# KiCad board HPM1500_DDR3_CORE_RevB.kicad_pcb (continued)
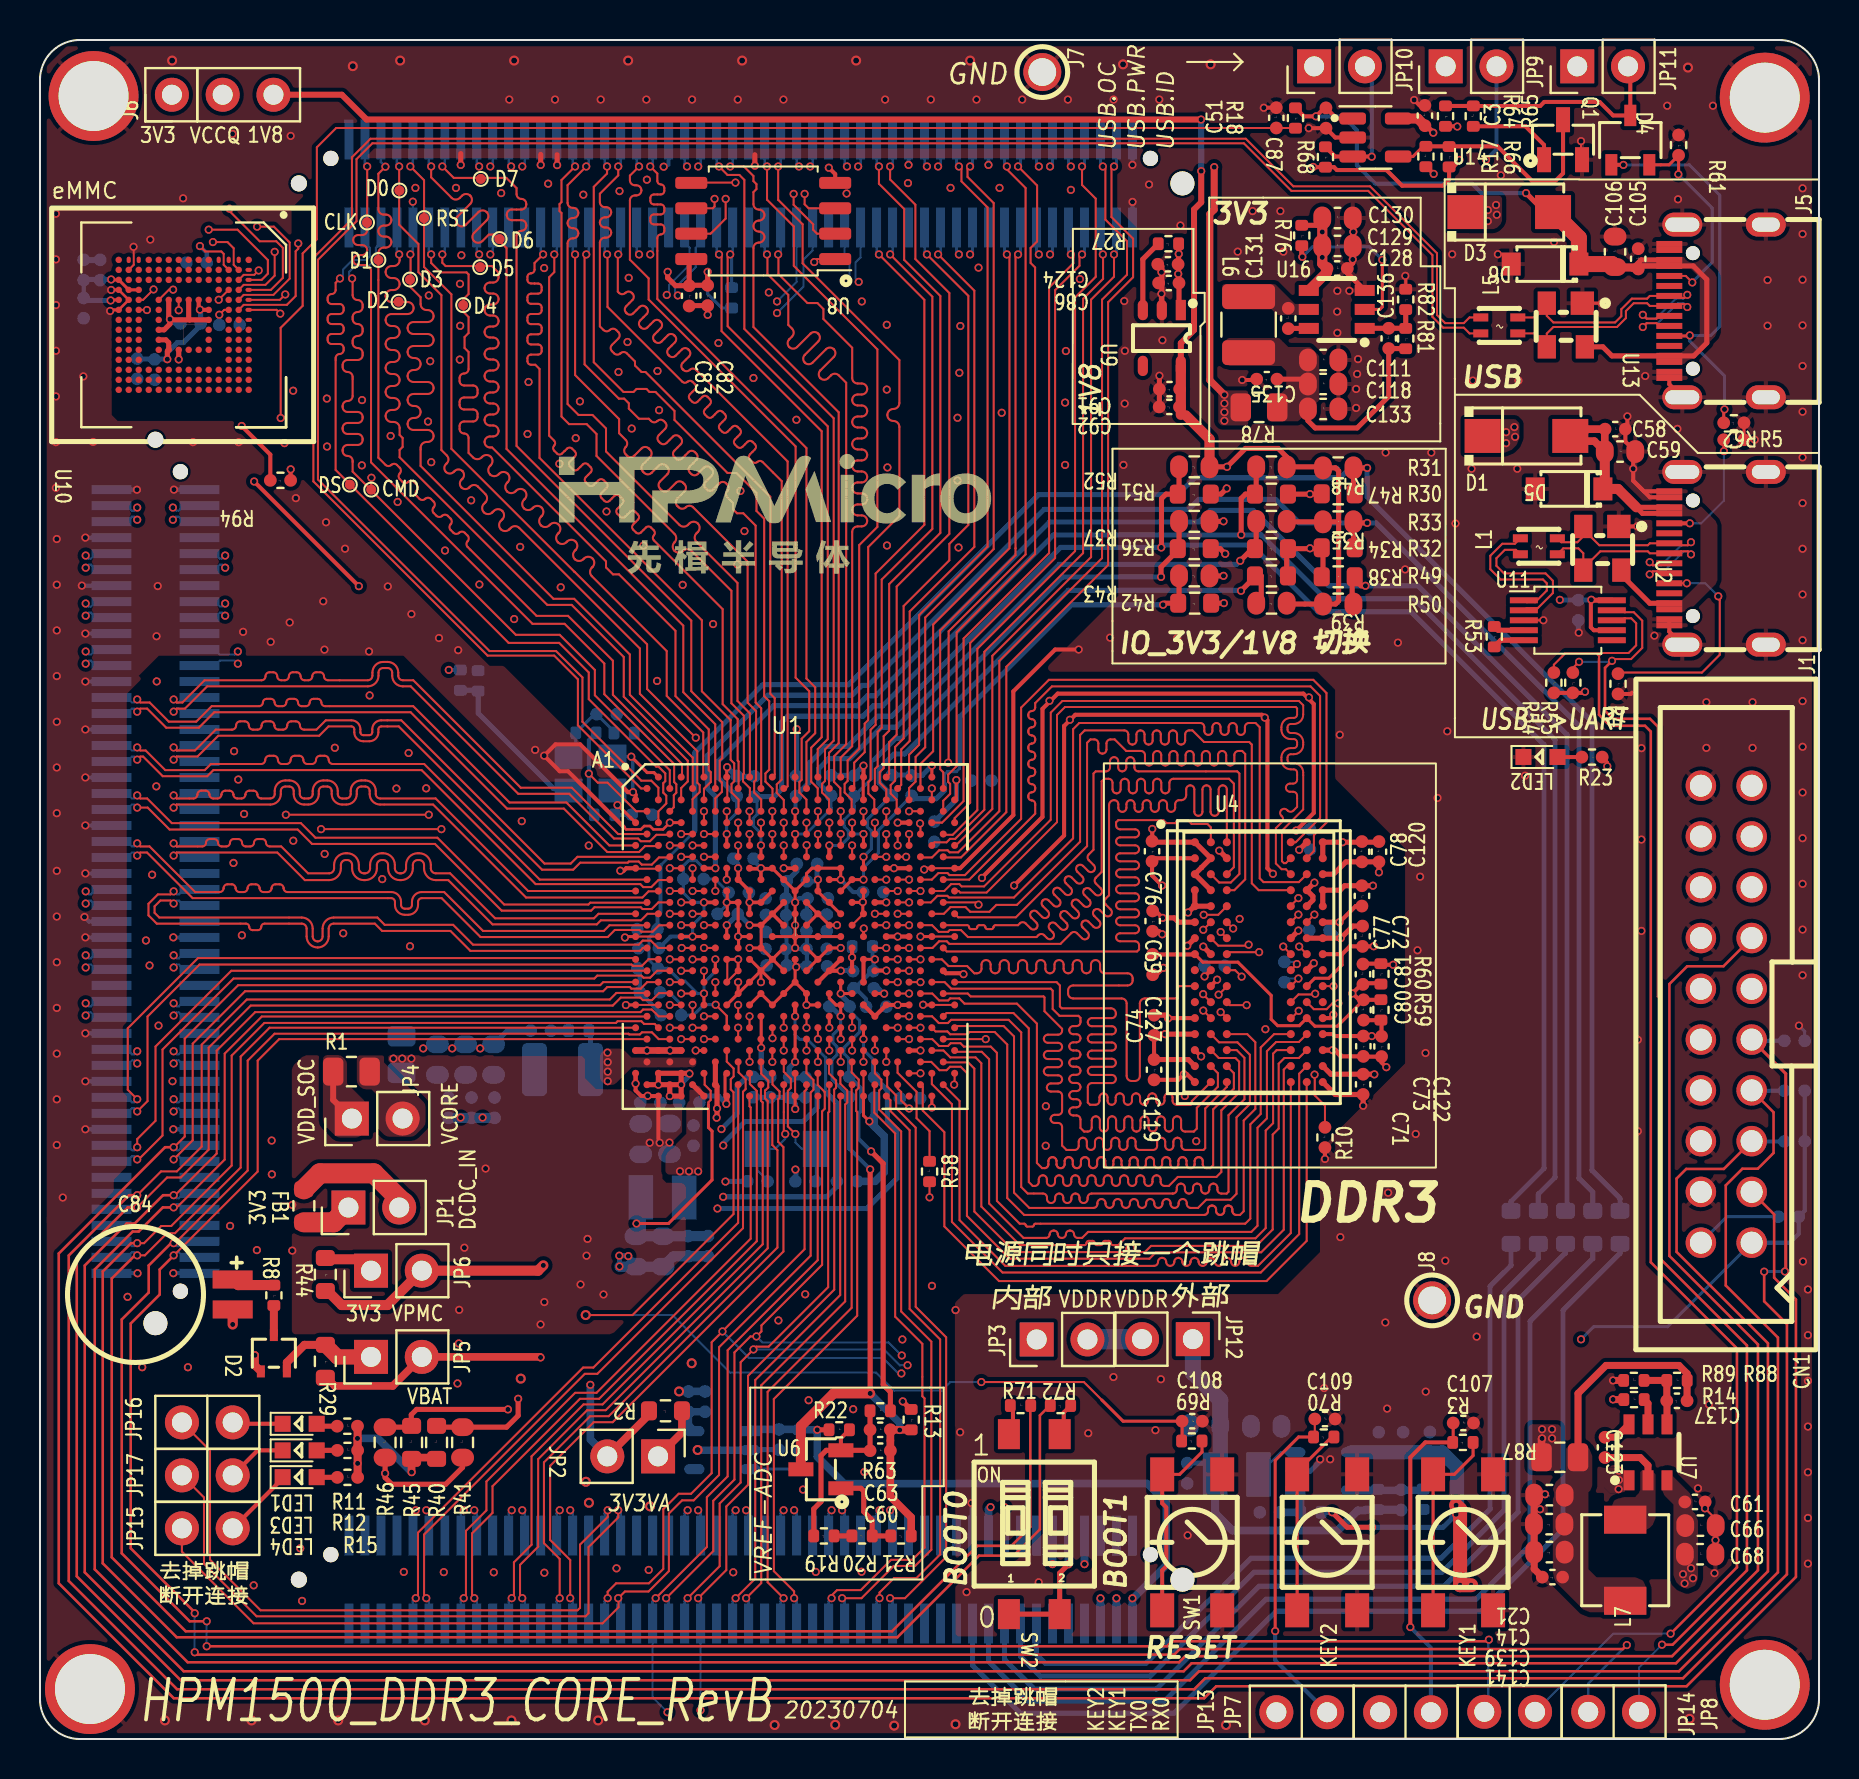
[diagram p0: board, top side]
## Copper pours and planes (outline as drawn; the poured copper is in the pictures) (continued)
GND on Top: 78.39,13.59 78.24,13.44 78.24,12.59 78.54,12.29 79.19,12.29 79.29,12.39 79.29,13.44 79.14,13.59
GND on Top: 0.47,31.19 3.94,31.71 3.94,28.24 3.69,27.99 3.69,10.09 10.84,2.94 83.74,2.94 87.79,6.99 87.79,24.04 87.74,24.5 88.28,24.5 88.64,24.14 88.49,23.99 88.49,1.34 87.44,0.29 1.69,0.29 0.34,1.64 0.34,26.14 0.39,26.19 0.39,28.95
GND on Top: 88.64,3.94 71.49,3.94 71.49,5.13 45.79,5.13 45.79,15.61 45.77,15.59 45.77,21.82 46.21,22.26 61.93,22.26 68.29,28.62 68.29,44.54 64.79,48.04 64.79,52.49 63.89,53.39 49.09,53.39 49.09,52.34 53.94,57.19 53.94,69.54 54.14,69.74 54.14,72.09 54.99,72.94 54.99,75.49 53.89,76.59 53.89,79.09 15.09,79.09 12.59,76.59 12.59,73.64 12.39,73.44 3.84,73.44 3.59,73.19 3.59,66.24 3.89,65.94 10.24,65.94 22.49,53.69 23.19,53.69 28.99,47.89 24.49,47.89 18.19,54.19 5.94,54.19 4.94,53.19 5.09,53.04 4.34,52.29 4.34,28.64 3.69,27.99 2.54,27.99 0.34,25.79 0.34,83.69 1.34,84.69 88.64,84.69
GND on Top: 13.2,34.21 22.67,34.21 22.72,34.16 27.26,34.16 27.26,33.08 27.83,32.51 29.45,32.51 29.79,32.23 30.26,31.8 32.1,31.8 32.19,31.71 32.19,30.27 31.14,29.22 31.14,28.02 31.33,27.83 32.09,27.83 32.31,27.74 32.3,23.92 28.63,20.25 12.6,20.25 12.6,33.63
GND on Top: 64.03,23.65 64.03,29.54 68.81,34.32 69.31,34.32 69.31,27.05 65.91,23.65
GND on Bottom: 38.58,38.38 37.12,38.38 37.12,43.19 38.58,43.19
GND on Bottom: 88.93,82.23 88.93,84.86 1.08,84.86 0.39,84.17 0.39,82.23
GND on Bottom: 30.05,30.05 32.83,30.05 32.99,29.89 32.99,29.54 32.84,29.39 32.44,29.39 31.99,28.94 29.69,28.94 29.69,29.69
GND on Bottom: 68.65,33.6 62.32,27.27 58.8,27.27 56.95,25.42 56.95,22.28 57.28,21.94 69.64,21.94 69.64,32.61
GND on Bottom: 88.93,82.23 88.93,0.24 0.44,0.24 0.44,46.84 0.39,46.84 0.39,82.23 ; 1 cut-out
GND on In1.Cu: 88.98,0.16 0.53,0.16 0.53,84.94 88.98,84.94
GND on In2.Cu: 76.9,77.6 79.41,77.6 79.94,77.07 79.94,76.51 79.55,76.12 79.55,68.07 82.45,65.17 83.24,65.17 83.85,65.78 83.85,77.28 82.86,78.28 77.39,78.28 76.9,77.79
GND on In2.Cu: 0.19,84.69 88.82,84.69 88.82,0.29 0.39,0.29 0.39,30.09 0.19,30.09 ; 1 cut-out
VBUS on Top: 83.88,73.24 83.88,70.25 82.42,68.79 80.87,68.79 80.87,69.36 82.1,69.36 83.03,70.29 83.03,73.1 82.57,73.56 80.87,73.56 80.87,74.14 82.98,74.14
VDD_SOC on Top: 14.16,34.09 14.16,30.79 14.86,30.09 15.96,30.09 16.31,30.44 16.31,31.85 15.36,32.8 15.36,33.91 15.05,34.22 14.29,34.22
VDD_SOC on Bottom: 14.39,32.59 16.84,32.59 16.84,30.19 16.64,29.99 14.39,29.99
VDD_SOC on Bottom: 29.04,38.14 29.49,37.69 29.49,37.04 30.89,35.64 32.44,35.64 34.09,37.29 34.09,40.79 34.34,41.04 35.39,41.04 35.89,41.54 35.89,42.34 36.14,42.59 36.69,42.59 36.89,42.39 36.89,38.4 37.11,38.19 38.54,38.19 38.84,38.49 38.84,42.33 39.05,42.54 40.04,42.54 40.29,42.29 40.29,38.09 39.64,37.44 38.74,37.44 34.54,33.24 29.09,33.24 28.89,33.44 28.89,34.79 27.74,35.94 17.49,35.94 16.81,35.26 16.81,30.01 16.49,29.69 14.69,29.69 14.04,30.34 14.04,37.39 14.79,38.14
VDD_SOC on In2.Cu: 40.1,40.91 40.3,40.83 40.3,39.47 38.5,37.6 34.8,37.6 34.66,37.66 34.68,39.52 34.17,40.1 34.17,40.83 34.3,40.9 34.35,40.91
VDDR on Bottom: 67.4,45.1 67.4,33.9 66.75,33.25 67.4,33.9 67.4,33.1 62.2,27.9 58.6,27.9 56.3,25.6 56.3,19.5 55.6,18.8 52,18.8 51.5,19.3 51.5,22.02 43.81,29.71 43.81,32.09 42.1,33.8 42.1,40 41.5,40.6 41.5,41.75 41.74,41.99 41.74,42.66 41.7,42.7 41.7,43.2 43.1,44.6 44.2,44.6 47.25,47.65 47.25,48.42 48,49.16 63.34,49.16
/Main/MCU-08/DCDC_IN on Bottom: 18.19,27.64 26.14,27.64 26.84,28.34 26.84,30.99 27.16,31.3 30.41,31.3 30.69,31.59 30.69,32.84 30.84,32.99 32.24,32.99 32.34,32.89 32.34,31.49 32.99,30.84 32.99,30.59 32.69,30.29 29.74,30.29 29.04,29.59 29.04,27.04 27.49,25.49 18.39,25.49 17.18,25.86 17.18,27.31
/Main/MCU-08/DCDC_LP on Top: 29.14,34.54 29.59,34.09 32.78,34.09 32.84,34.03 32.84,33.72 32.72,33.6 29.61,33.6 28.73,32.72 28.26,32.72 28.01,32.97 28.01,34.27 28.28,34.54
/Main/MCU-08/DCDC_LP on Bottom: 27.89,34.79 28.29,34.79 28.64,34.44 28.64,33.04 28.14,32.54 27.64,32.54 27.49,32.69 27.49,34.39
/Main/MCU-08/DCDCM_LP on Top: 33.14,32.51 33.14,28.44 32.74,28.24 31.29,28.24 31.29,29.24 32.33,30.28 32.33,31.78 32.49,31.94 32.49,32.98 32.67,32.98
/Main/MCU-08/DCDCM_LP on Bottom: 33.08,25.98 31.65,25.98 31.65,28.58 33.08,28.58
/Main/USB/L4_OUT_2 on Bottom: 58.89,16.24 60.84,16.24 60.84,15.14 60.74,15.04 58.94,15.04 58.94,14.99 58.89,15.04
DCDC_GND on Bottom: 17.74,35.69 19.04,35.69 19.39,35.34 22.89,35.34 23.24,34.99 23.24,34.64 22.99,34.39 19.09,34.39 18.84,34.64 17.89,34.64 17.49,35.04 17.49,35.44
DCDC_GND on In1.Cu: 31.37,35.01 31.75,34.63 31.75,34.22 31.76,34.21 31.17,33.62 29.67,33.62 29.5,33.45 29.5,32.13 29.87,31.76 33.91,31.76 34.1,31.57 34.1,31.01 33.76,30.67 30.31,30.67 30.07,30.43 30.07,25.03 30.52,24.58 30.72,24.58 30.94,24.36 30.94,23.68 30.55,23.29 28.1,23.29 27.82,23.57 27.82,30.07 27.1,30.79 22.37,30.79 22.34,30.76 20.7,30.76 20.51,30.95 20.51,33.5 20.13,33.88 19.25,33.88 18.88,34.25 18.88,34.82 19.07,35.01
Vcore on Top: 15.85,34.11 15.85,32.8 16.15,32.5 16.58,32.5 16.87,32.21 16.87,30.58 17.32,30.13 18.7,30.13 19.29,30.72 19.29,31.77 17.21,33.85 17.21,34.15 17.16,34.2 15.94,34.2
Vcore on Bottom: 19.34,33.99 23.34,33.99 23.94,34.59 24.39,34.59 24.39,32.19 24.04,31.84 20.44,31.84 19.74,31.14 19.74,30.64 19.19,30.09 17.49,30.09 17.19,30.39 17.19,31.79 17.64,32.24 18.39,32.24 19.14,32.99 19.14,33.79
Net-(C111-Pad1) on Top: 59.44,70.09 61.99,70.09 62.44,69.64 63.54,69.64 63.94,69.24 63.99,69.24 63.99,66.97 62.94,65.92 61.38,65.92 61.24,66.06 61.24,67.18 61.38,67.32 62.07,67.32 62.34,67.59 62.34,68.44 62.09,68.69 59.49,68.69 59.34,68.84 59.34,69.99
Net-(C137-Pad1) on Top: 76.34,13.37 75.68,12.71 75.68,8 77.34,6.34 80.36,6.34 80.36,7.74 80.01,8.09 77.87,8.09 77.46,8.5 77.46,12.34 77.65,12.53 77.65,14.37 77.33,14.69 76.68,14.69 76.6,14.61 76.38,14.61 76.34,14.57
Net-(U7-SW) on Top: 80.82,13.44 80.82,10.86 80.36,10.4 79.04,10.4 78.6,10.84 78.6,11.78 78.92,12.1 79.8,12.1 80.05,12.45 80.05,13.43 80.06,13.44
Net-(U16-LX) on Top: 59.14,72.78 61.8,72.78 62.78,71.79 63.97,71.79 63.97,71.24 62.34,71.24 62.34,71.24 61.89,71.24 61.54,71.59 59.74,71.59 59.14,72.19

## Text on the board
B.Silkscreen: 3V3 | VDD_SOC | VCORE | DCDC_IN | VBAT | VPMC | VDDR
F.Silkscreen: DS | CLK | D1 | D0 | D2 | CMD | D3 | RST | D4 | D5 | D7 | D6 | KEY2 | KEY1 | TX0 | RX0 | 3V3 | VCCQ | 1V8 | VPMC | VBAT | A1 | VDD_SOC | VCORE | DCDC_IN | VDDR | 3V3VA | 20230704 | 去掉跳帽 / 断开连接 | eMMC | VREF-ADC | USB.OC | USB.PWR | USB.ID | USB->UART | 1 | 0 | GND | IO_3V3/1V8 切换 | USB | RESET | BOOT0 | BOOT1 | HPM1500_DDR3_CORE_RevB | DDR3 | 内部 | 电源同时只接一个跳帽 | 外部
In2.Cu: 地址 1402 / 数据1 1446 / 数据2 1390
